# Altium PCB carrier.PcbDoc (part 4 of 5) (continued)
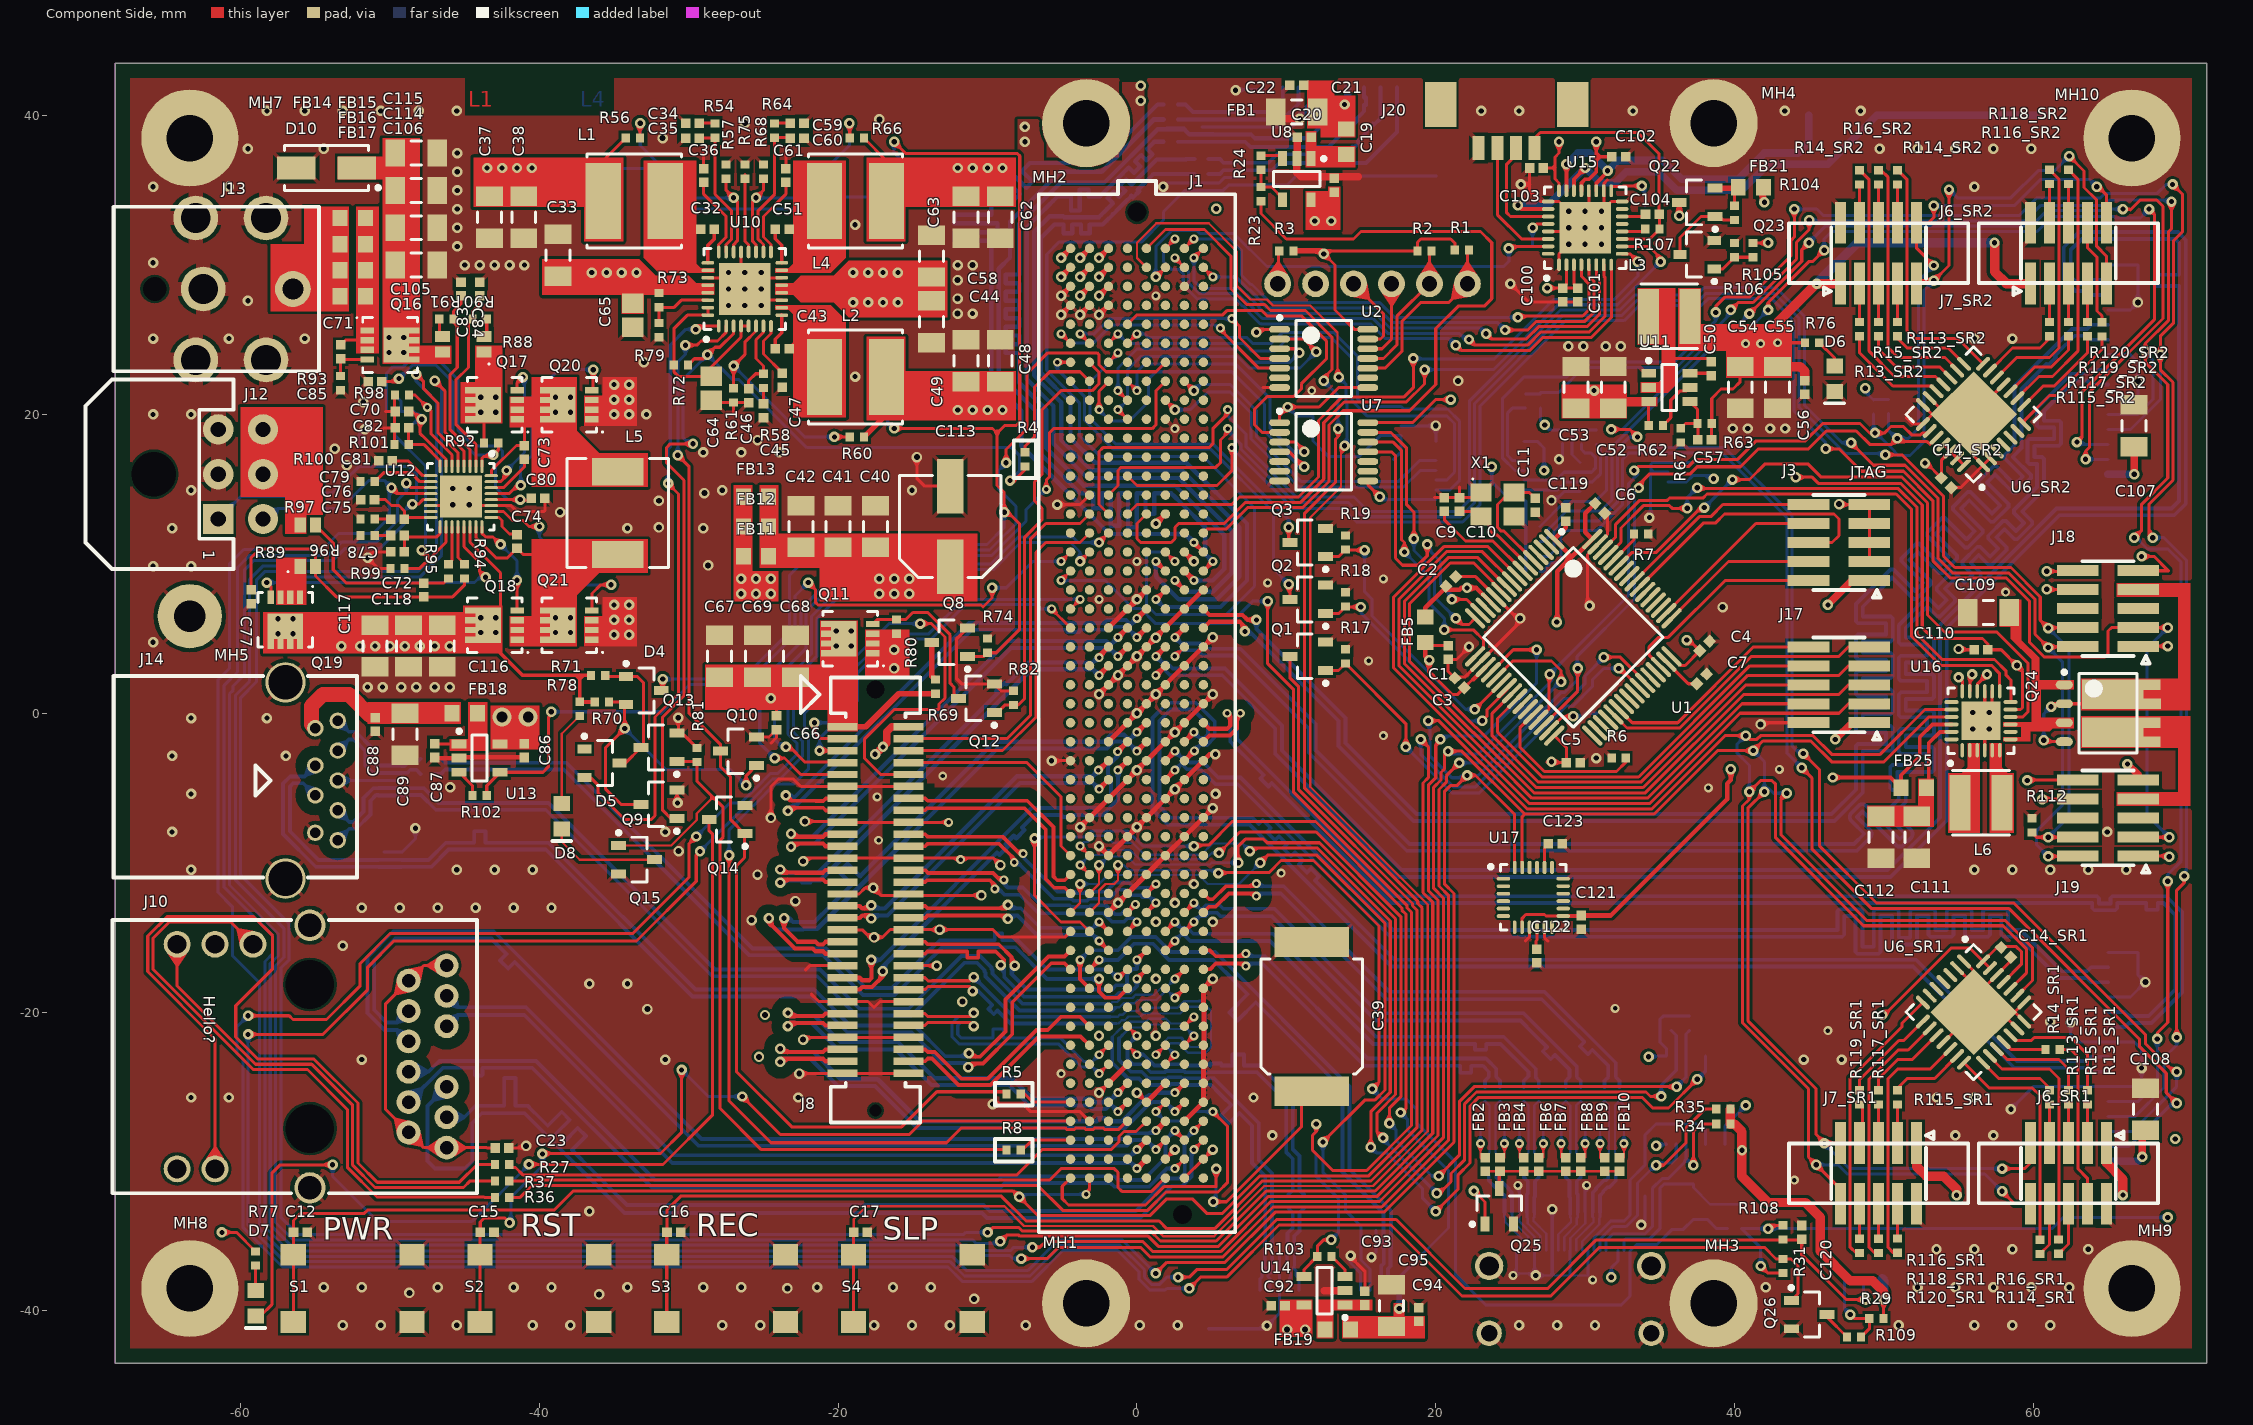
[diagram p0: Component Side view]
## Nets (pads, with @x,y where several pads share a name; then routed paths per layer and width w, separated by ;. In a path a pad name is that pad's centre, name@x,y a point inside that pad or via, vN(x,y) a via of type N, cw(c..) or ccw(c..) an arc to the next point about the centre after c; other vN are vias at no path point) (continued)
NetJ10_17: J10.17 R37.1 | length 32.2
  Component Side w0.203: J10.17@-64.25,-15.463 -64.25,-18.253 -59.008,-23.495 -55.245,-23.495 -52.5,-26.24 -52.5,-30.25 -51,-31.75 -45.085,-31.75 -44.635,-31.3 R37.1@-42.975,-31.3 ; R37.1@-43.02,-31.25 R37.1@-42.975,-31.25
NetJ12_1: J12.1 R84.2 | length 6.4
  Solder Side w0.203: J12.1@-61.5,13 -60,14.5 -56.079,14.5 R84.2@-55.847,14.732
NetJ12_4: J12.4 R83.2 | length 2.9
  Solder Side w0.203: J12.4@-58.5,13 -58.2,13 -57.484,13.716 R83.2@-55.847,13.716
NetJ16_4: J16.4 R29.2 R109.1 | length 5.4
  Component Side w0.203: v1(47.75,-40.25) 48,-40.5 R29.2@49.025,-40.5 49.025,-41.2 R109.1@48.475,-41.75
  Solder Side w0.203: J16.4@47.375,-37.85 47.375,-39.875 v1(47.75,-40.25)
NetJ17_3: J17.3 U1.8 | length 53.6
  Component Side w0.203: U1.8@25.462,9.181 23.468,11.176 20.574,11.176 17.183,7.785 17.183,3.03 26.252,-6.039 34.327,-6.039 40.366,0 46.99,0 47.625,0.635 J17.3@49.022,0.635
NetJ17_4: J17.4 U1.9 | length 47.9
  Component Side w0.203: U1.9@25.109,8.828 23.116,10.82 20.726,10.82 17.539,7.633 17.539,3.178 24.067,-3.35 24.097,-3.35 26.429,-5.683 34.179,-5.683 40.498,0.635 J17.4@44.958,0.635
NetJ17_5: J17.5 U1.10 | length 50.7
  Component Side w0.203: U1.10@24.755,8.474 22.815,10.414 20.828,10.414 17.894,7.48 17.894,3.325 22.518,-1.299 22.548,-1.299 26.577,-5.328 34.032,-5.328 40.63,1.27 46.99,1.27 47.625,1.905 J17.5@49.022,1.905
NetJ17_6: J17.6 U1.11 | length 45
  Component Side w0.203: U1.11@24.402,8.121 24.402,8.203 22.546,10.058 20.975,10.058 18.25,7.333 18.25,3.472 22.665,-0.943 22.695,-0.943 26.724,-4.972 33.885,-4.972 40.762,1.905 J17.6@44.958,1.905
NetJ17_7: J17.7 U1.24 | length 33.2
  Component Side w0.203: U1.24@25.109,1.332 23.774,-0.002 23.774,-1.507 26.884,-4.616 33.732,-4.616 40.889,2.54 46.99,2.54 47.625,3.175 J17.7@49.022,3.175
NetJ17_8: J17.8 U1.25 | length 27.9
  Component Side w0.203: U1.25@25.462,0.979 24.13,-0.354 24.13,-1.27 27.121,-4.261 33.585,-4.261 41.021,3.175 J17.8@44.958,3.175
NetJ17_9: J17.9 U1.37 | length 19.8
  Component Side w0.203: U1.37@31.897,-0.082 32.806,-0.991 36.342,-0.991 41.143,3.81 46.99,3.81 47.625,4.445 J17.9@49.022,4.445
NetJ17_10: J17.10 U1.38 | length 15.2
  Component Side w0.203: U1.38@32.251,0.272 33.157,-0.635 36.195,-0.635 41.275,4.445 J17.10@44.958,4.445
NetJ18_7: J18.7 Q24.B1 Q24.B2 Q24.C1 | length 8.3
  Component Side w0.203: v1(60.7,-1.8) 60.805,-1.905 Q24.B2@62.075,-1.905 ; v1(61.193,0.443) 61.385,0.635 Q24.B1@62.075,0.635 64.685,0.635 Q24.C1@65.32,1.27
  Solder Side w0.203: v1(60.7,-1.8) 60.7,-0.05 v1(61.193,0.443)
NetJ18_8: J18.8 J19.8 U16.17 | length 24.6
  Component Side w0.203: U16.17@55.75,1.475 55.75,2.45 v1(55.9,2.6) ; v1(60.6,-5.76) 60.63,-5.73 J19.8@62.968,-5.73 ; v1(60.9,8.3) 60.93,8.27 J18.8@62.968,8.27
  Power_layer1 w0.508: v1(60.6,-5.76) 60.6,-4.2 58.8,-2.4 58.8,0.7 57.7,1.8 56.2,1.8 55.9,2.1 v1(55.9,2.6) 55.9,2.9 59.2,6.2 59.2,6.6 v1(60.9,8.3)
NetJ18_9: J18.9 J19.9 U16.16 | length 36
  Component Side w0.203: U16.16@56.25,1.475 56.25,1.95 v1(56.9,2.6) ; J18.9@67.032,9.54 69.04,9.54 68.08,10.5 v1(67.25,10.5)
  Component Side w0.508: v1(66.3,-3.4) 67.032,-4.132 J19.9@67.032,-4.46
  Power_layer1 w0.508: v1(56.9,2.6) 58.43,2.6 58.73,2.3 59.7,2.3 ; v1(66.3,-3.4) 61,-3.4 59.7,-2.1 59.7,2.3 ; v1(67.25,10.5) 67.25,7.75 66.6,7.1 61,7.1 60.1,6.2 60.1,2.7 59.7,2.3
NetJ18_10: J18.10 J19.10 U16.18 | length 26
  Component Side w0.203: v1(55,2.4) 55.25,2.15 U16.18@55.25,1.475 ; v1(59.6,-4.5) 59.64,-4.46 J19.10@62.968,-4.46 ; v1(60.9,9.5) 62.928,9.5 J18.10@62.968,9.54
  Power_layer1 w0.508: v1(59.6,-4.5) 59.6,-4.4 58,-2.8 58,0.4 57.4,1 55.7,1 55,1.7 v1(55,2.4) 55,3.2 58.2,6.4 58.2,7 60.7,9.5 v1(60.9,9.5)
NetJ19_7: J19.7 Q24.C2
NetJ20_2: J20.2 U15.27 | length 7.5
  Component Side w0.203: J20.2@25.375,37.85 25.375,37.375 24.75,36.75 24.75,33.5 25,33.25 U15.27@27.525,33.25
NetJ20_3: J20.3 U15.30 | length 8.5
  Component Side w0.203: J20.3@24.125,37.85 24.125,33.375 25.75,31.75 U15.30@27.525,31.75
NetL6_1: L6.1 U16.5 U16.6
NetL6_2: L6.2 U16.2 U16.3
NetQ5_D: Q5.D R55.2 | length 1.3
  Solder Side w0.203: R55.2@-39.5,35.525 -38.225,35.525 Q5.D@-38.2,35.5
NetQ6_D: Q6.D R59.2 | length 1.3
  Solder Side w0.203: Q6.D@-14.3,21.25 -13.025,21.25 R59.2@-13,21.275
NetQ7_D: Q7.D R65.2 | length 1.3
  Solder Side w0.203: Q7.D@-14.3,35.5 -13.025,35.5 R65.2@-13,35.525
NetQ8_D: Q8.D R69.1 | length 2.6
  Component Side w0.381: Q8.D@-13.736,4.75 -13.736,2.486 R69.1@-13.5,2.25
NetQ9_G: Q9.G R4.2 R72.2 U10.3 | length 67.1
  Component Side w0.203: Q9.G@-30.804,-7.046 -31.205,-7.046 -31.75,-6.501 -31.75,-0.254 -30.328,1.168 -30.328,15.596 -31.496,16.764 -31.496,17.78 -31.242,18.034 v1(-29.718,18.034) ; R72.2@-30.052,23.304 -29.627,23.729 -29.021,23.729 v7(-28.75,24) -28.25,24.5 -27.925,24.5 -27,25.425 U10.3@-27,25.925 ; v1(-8.5,15.573) -8.223,15.573 -7.493,16.303 R4.2@-7.493,16.543
  Solder Side w0.203: v1(-29.718,18.034) -29.972,18.034 -30.378,18.44 -30.378,22.372 v7(-28.75,24) -27.1,22.35 -26.668,22.35 -22.098,17.78 -8.386,17.78 -7.874,17.268 -7.874,16.199 v1(-8.5,15.573)
NetQ10_D: Q10.D Q14.G R5.2 U10.2 | length 75.1
  Component Side w0.203: v1(-30.734,17.272) -29.972,16.51 -29.972,0 -27.87,-2.102 Q10.D@-27.87,-2.54 -27.87,-3.598 -27.2,-4.268 -27.2,-7.13 Q14.G@-26.268,-8.062 ; v7(-30.226,24.638) -29.464,24.638 -29.177,24.925 -28.075,24.925 -27.5,25.5 U10.2@-27.5,25.925 ; Q14.G@-26.232,-8.062 Q14.G@-26.25,-8.062 ; R5.2@-8.725,-25.5 -8.89,-25.335 -13.397,-25.335 -15.748,-27.686 -23.114,-27.686 -26.8,-24 -26.8,-10.2 -26.268,-9.668 Q14.G@-26.268,-8.062 ; Q14.G@-26.268,-8.062 -26.25,-8.044 Q14.G@-26.25,-8.062 ; Q14.G@-26.268,-8.062 Q14.G@-26.25,-8.062
  Solder Side w0.203: v1(-30.734,17.272) -30.734,23.516 -30.226,24.024 v7(-30.226,24.638)
NetQ11_G: Q11.G Q12.D R80.1 | length 10.6
  Component Side w0.203: Q11.G@-17.685,5.975 -17.385,6.275 R80.1@-16.1,6.275 -15.475,6.275 -15,6.75 -14,6.75 -12.5,5.25 -12.5,2 -12.25,1.75 -12.25,1.3 Q12.D@-11.95,1
NetQ13_G: Q13.G Q15.G R8.2 R81.1 | length 53.5
  Component Side w0.152: Q15.G@-34.7,-8.85 -31.175,-8.85 -29.467,-7.142 -29.467,-6.717 -28.375,-5.625
  Component Side w0.203: Q13.G@-30.804,-3.236 -29.497,-3.236 R81.1@-29.464,-3.269 ; R81.1@-29.464,-3.344 -29.464,-4.536 -28.375,-5.625 -27.7,-6.3 -27.7,-8.296 -27.904,-8.5 -27.904,-26.452 -25.146,-29.21 -8.765,-29.21 R8.2@-8.725,-29.25
NetQ17_G: Q17.G U12.31 | length 9.4
  Component Side w0.203: U12.31@-43.225,15.5 -42.6,15.5 -42.2,15.9 v1(-42.2,16.25) ; Q17.G@-41.485,21.625 -41.485,22.115 v1(-41.1,22.5)
  Solder Side w0.203: v1(-42.2,16.25) -41,17.45 -41,22.5 v1(-41.1,22.5)
NetQ18_G: Q18.G U12.24 | length 6.9
  Component Side w0.203: U12.24@-43.85,12.475 -43.85,12.05 -43.6,11.8 -43.1,11.8 v1(-42.6,11.3) ; v1(-41.5,8.9) -41.5,6.89 Q18.G@-41.485,6.875
  Solder Side w0.203: v1(-42.6,11.3) -41.5,10.2 v1(-41.5,8.9)
NetQ19_G: Q19.G U12.21 | length 20
  Component Side w0.203: v1(-58.25,8.75) -57.975,8.475 Q19.G@-57.975,7.765 ; U12.21@-45.05,12.475 -45.05,11.15 -44,10.1 -44,9.5 v1(-43.6,9.1)
  Solder Side w0.203: v1(-58.25,8.75) -44.35,8.75 -43.8,9.3 v1(-43.6,9.1)
NetQ20_G: Q20.G U12.29 | length 14.7
  Component Side w0.203: U12.29@-43.225,14.7 -42.037,14.7 -41.487,15.25 v1(-41.25,15.25) ; Q20.G@-36.485,21.625 -36.4,21.71 v1(-36.4,23)
  Solder Side w0.203: v1(-41.25,15.25) -41.25,16.5 -40.5,17.25 -40.5,21.2 -38.7,23 v1(-36.4,23)
NetQ21_G: Q21.G U12.26 | length 13.1
  Component Side w0.203: U12.26@-43.225,13.5 -42.4,13.5 -41.8,12.9 -41.1,12.9 -40.7,12.5 v1(-40,12.5) ; Q21.G@-36.485,6.875 -36.485,8.015 -35.9,8.6 v1(-35.2,8.6)
  Solder Side w0.203: v1(-40,12.5) -40,11.8 -36.8,8.6 v1(-35.2,8.6)
NetQ22_G: Q22.G Q23.C R104.1 | length 5.5
  Component Side w0.203: Q23.C@36.35,30.7 36.35,31.3 36.35,31.85 37.75,33.25 Q22.G@38.7,33.25 39,33.25 39.225,33.025 R104.1@40,33.025
NetQ23_B: Q23.B R105.2 R106.2 | length 2.9
  Component Side w0.203: Q23.B@38.65,29.75 39.225,29.75 R106.2@40,30.525 R105.2@41.25,30.525
NetQ26_D: Q26.D R109.2 | length 2
  Component Side w0.203: Q26.D@46.2,-40.25 46.2,-40.425 R109.2@47.525,-41.75
NetR6_2: R6.2 U1.28 | length 10.9
  Component Side w0.203: U1.28@26.523,-0.082 25.625,-0.979 25.625,-2.263 27.268,-3.905 32.095,-3.905 32.725,-3.275 R6.2@32.725,-3
NetR7_2: R7.2 U1.60 | length 2.3
  Component Side w0.203: U1.60@31.897,10.242 33.275,11.62 R7.2@33.275,12
NetR11_1: R11.1 U3.22 U4.13 | length 7.7
  Solder Side w0.203: U4.13@25.912,14.956 28.164,14.956 28.691,15.483 U3.22@29.658,15.483 30.483,15.483 31.039,16.039 31.039,17.711 R11.1@30.75,18
NetR12_1: R12.1 U3.23 U4.12 | length 7.4
  Solder Side w0.203: U4.12@25.912,15.606 28.052,15.606 28.579,16.133 U3.23@29.658,16.133 30.422,16.133 30.683,16.394 30.683,17.133 30.408,17.408 30,17.408 29.75,17.658 R12.1@29.75,18.025
NetR13_SR1_1: R13_SR1.1 U6_SR1.19 | length 8.3
  Component Side w0.203: U6_SR1.19@58.475,-21.556 58.824,-21.905 59.864,-21.905 60.069,-21.7 62.5,-21.7 63.62,-22.82 R13_SR1.1@63.62,-25.24
NetR13_SR2_1: R13_SR2.1 U6_SR2.19 | length 7.3
  Component Side w0.203: R13_SR2.1@48.38,25.24 48.38,24.12 50.595,21.905 53.176,21.905 U6_SR2.19@53.525,21.556
NetR14_SR1_1: R14_SR1.1 U6_SR1.18 | length 3
  Component Side w0.203: U6_SR1.18@58.015,-22.015 58.5,-22.5 R14_SR1.1@60.825,-22.5
NetR14_SR2_1: R14_SR2.1 U6_SR2.18 | length 18.3
  Component Side w0.203: R14_SR2.1@48.38,36.35 49.015,35.715 49.015,24.235 50.71,22.54 53.46,22.54 U6_SR2.18@53.985,22.015
NetR15_SR1_1: R15_SR1.1 U6_SR1.17 | length 6.8
  Component Side w0.203: U6_SR1.17@57.556,-22.475 58.256,-23.175 61.715,-23.175 62.35,-23.81 R15_SR1.1@62.35,-25.24
NetR15_SR2_1: R15_SR2.1 U6_SR2.17 | length 6.5
  Component Side w0.203: R15_SR2.1@49.65,25.24 49.65,24.35 50.825,23.175 53.744,23.175 U6_SR2.17@54.444,22.475
NetR16_SR1_1: R16_SR1.1 U6_SR1.16 | length 16.2
  Component Side w0.203: U6_SR1.16@57.096,-22.934 57.096,-23.001 57.905,-23.81 61.08,-23.81 61.715,-24.445 R16_SR1.1@61.715,-35.4
NetR16_SR2_1: R16_SR2.1 U6_SR2.16 | length 17.5
  Component Side w0.203: R16_SR2.1@49.65,36.35 49.81,36.35 50.285,35.875 50.285,24.465 50.94,23.81 54.095,23.81 54.904,23.001 U6_SR2.16@54.904,22.934
NetR21_2: R21.2 U4.10 | length 5.4
  Solder Side w0.203: U4.10@25.912,16.906 25.156,16.906 24.812,17.25 24.812,20.112 25.125,20.425 R21.2@26,20.425
NetR23_2: R23.2 R24.1 U8.4 | length 3
  Component Side w0.203: R24.1@8.3,36.375 R23.2@8.3,35.225 9,35.225 U8.4@9.8,34.425
NetR24_2: R24.2 U8.3 | length 1.6
  Component Side w0.203: R24.2@8.3,37.325 9.65,37.325 U8.3@9.8,37.175
NetR56_2: R56.2 R57.1 U10.22 | length 15.5
  Component Side w0.203: R56.2@-33.275,38.5 -33.275,39.475 v1(-33.25,39.5) ; R57.1@-27.5,35.775 -27.5,35 v7(-27,34.5) -26.75,34.25 -26.75,31.619 -27,31.369 U10.22@-27,30.875
  Solder Side w0.203: v1(-33.25,39.5) -33.25,38 -29.75,34.5 v7(-27,34.5)
NetR60_2: R60.2 R61.1 U10.6 | length 14.5
  Component Side w0.203: R61.1@-27,21.75 v7(-27,23.25) -26.25,24 -26.25,24.835 -25.5,25.585 U10.6@-25.5,25.925 ; v1(-20.25,18.5) R60.2@-19.225,18.5
  Solder Side w0.203: v7(-27,23.25) -22.25,18.5 v1(-20.25,18.5)
NetR62_2: R62.2 U11.5 | length 3.5
  Component Side w0.203: R62.2@35.207,19.26 35.732,19.785 35.732,20.96 36.332,21.56 36.757,21.56 U11.5@37.007,21.81
NetR66_2: R66.2 R68.1 U10.19 | length 15.5
  Component Side w0.203: U10.19@-25.5,30.875 -25.5,31.369 -25.75,31.619 -25.75,34.25 v7(-25.5,34.5) -25,35 R68.1@-25,35.775 ; v1(-19.25,39.5) -19.225,39.475 R66.2@-19.225,38.5
  Solder Side w0.203: v7(-25.5,34.5) -22.75,34.5 -19.25,38 v1(-19.25,39.5)
NetR73_1: R73.1 R79.2 U10.30 | length 4.5
  Component Side w0.203: R79.2@-32,26.125 R73.1@-32,27.125 ; R73.1@-32,27.175 -30.975,27.175 -30.5,27.65 U10.30@-28.725,27.65
NetR75_2: R75.2 U10.20 | length 5.3
  Component Side w0.203: R75.2@-26.25,36.05 R75.2@-26.25,35.775 -26.25,31.616 -26,31.366 U10.20@-26,30.875
NetR85_2: R85.2 R98.1 U12.6 | length 7.8
  Component Side w0.203: R98.1@-48.725,21.3 -48.325,21.3 -48.225,21.2 v6(-47.5,20.475) -47.244,20.219 -47.244,18.694 -45.85,17.3 U12.6@-45.85,16.525
  Solder Side w0.203: R85.2@-48.725,21.3 -48.325,21.3 v6(-47.5,20.475)
NetR86_2: R86.2 R99.1 U12.18 | length 14.5
  Component Side w0.203: R99.1@-49.025,9.7 -48,9.7 -47.244,10.456 ; v1(-47.879,10.922) -47.413,10.456 -47.244,10.456 ; U12.18@-46.25,12.475 -46.25,11.45 -47.244,10.456
  Solder Side w0.203: R86.2@-49.675,19.1 -49.675,18.6 -47.625,16.55 -47.625,11.176 v1(-47.879,10.922)
NetR88_S1: R88.S1 R91.2 | length 1.3
  Component Side w0.203: R88.S1@-43.711,25.21 -43.525,25.396 R91.2@-43.525,26.4
NetR88_S2: R88.S2 R90.2 | length 1.3
  Component Side w0.203: R90.2@-46.7,26.4 -46.7,25.421 R88.S2@-46.489,25.21
NetR94_1: R94.1 U12.20 | length 2.7
  Component Side w0.203: U12.20@-45.45,12.475 -45.45,10.425 R94.1@-45,9.975
NetR95_1: R95.1 U12.19 | length 2.6
  Component Side w0.203: R95.1@-46.1,9.975 -45.85,10.225 U12.19@-45.85,12.475
NetR100_2: R100.2 U12.10 | length 4.2
  Component Side w0.203: R100.2@-51.025,15.5 -50.425,16.1 -48.6,16.1 -48,15.5 U12.10@-47.275,15.5
NetR102_2: R102.2 U13.3 | length 1.9
  Component Side w0.203: U13.3@-45.375,-3.95 -44.475,-4.85 R102.2@-44.475,-5.5
NetR103_2: R103.2 U14.3 | length 1.7
  Component Side w0.203: R103.2@13.025,-36.35 13.925,-37.25 U14.3@13.925,-37.7
NetR107_2: R107.2 U15.12 | length 1.6
  Component Side w0.203: U15.12@32.475,32.25 33.875,32.25 R107.2@34.025,32.4
NetR113_SR1_1: R113_SR1.1 U6_SR1.15 | length 5.3
  Component Side w0.203: U6_SR1.15@56.636,-23.394 57.687,-24.445 60.445,-24.445 61.08,-25.08 R113_SR1.1@61.08,-25.24
NetR113_SR2_1: R113_SR2.1 U6_SR2.15 | length 5.3
  Component Side w0.203: R113_SR2.1@50.92,25.24 50.92,25.08 51.555,24.445 54.313,24.445 U6_SR2.15@55.364,23.394
NetR114_SR1_1: R114_SR1.1 U6_SR1.14 | length 15.6
  Component Side w0.203: U6_SR1.14@55.364,-23.394 57.049,-25.08 59.937,-25.08 60.445,-25.588 R114_SR1.1@60.445,-35.24
NetR114_SR2_1: R114_SR2.1 U6_SR2.14 | length 17
  Component Side w0.203: R114_SR2.1@50.92,36.35 51.555,35.715 51.555,25.588 52.063,25.08 54.951,25.08 U6_SR2.14@56.636,23.394
NetR115_SR1_1: R115_SR1.1 U6_SR1.13 | length 5
  Component Side w0.203: R115_SR1.1@50.92,-25.24 50.92,-25.08 51.555,-24.445 53.393,-24.445 U6_SR1.13@54.904,-22.934
NetR115_SR2_1: R115_SR2.1 U6_SR2.13 | length 5
  Component Side w0.203: U6_SR2.13@57.096,22.934 58.607,24.445 60.445,24.445 61.08,25.08 R115_SR2.1@61.08,25.24
NetR116_SR1_1: R116_SR1.1 U6_SR1.12 | length 17.1
  Component Side w0.203: R116_SR1.1@50.92,-36.112 50.632,-36.112 50.285,-35.765 50.285,-24.445 50.92,-23.81 53.109,-23.81 U6_SR1.12@54.444,-22.475
NetR116_SR2_1: R116_SR2.1 U6_SR2.12 | length 17.2
  Component Side w0.203: U6_SR2.12@57.556,22.475 58.891,23.81 61.08,23.81 61.715,24.445 61.715,35.74 R116_SR2.1@61.08,36.375
NetR117_SR1_1: R117_SR1.1 U6_SR1.10 | length 5.9
  Component Side w0.203: R117_SR1.1@49.65,-25.24 49.65,-24.45 50.925,-23.175 51.906,-23.175 U6_SR1.10@53.525,-21.556
NetR117_SR2_1: R117_SR2.1 U6_SR2.10 | length 5.9
  Component Side w0.203: U6_SR2.10@58.475,21.556 60.094,23.175 61.207,23.175 62.35,24.318 R117_SR2.1@62.35,25.24
NetR118_SR1_1: R118_SR1.1 U6_SR1.9 | length 17.5
  Component Side w0.203: R118_SR1.1@49.65,-36.125 49.375,-36.125 49.015,-35.765 49.015,-24.485 50.96,-22.54 51.622,-22.54 U6_SR1.9@53.066,-21.096
NetR118_SR2_1: R118_SR2.1 U6_SR2.9 | length 17.8
  Component Side w0.203: U6_SR2.9@58.934,21.096 60.378,22.54 61.29,22.54 62.985,24.235 62.985,35.74 R118_SR2.1@62.35,36.375
NetR119_SR1_1: R119_SR1.1 U6_SR1.8 | length 6.6
  Component Side w0.203: R119_SR1.1@48.38,-25.24 48.38,-24.52 50.995,-21.905 51.337,-21.905 U6_SR1.8@52.606,-20.636
NetR119_SR2_1: R119_SR2.1 U6_SR2.8 | length 6.8
  Component Side w0.203: U6_SR2.8@59.394,20.636 60.663,21.905 61.405,21.905 63.62,24.12 R119_SR2.1@63.62,25.24
NetR120_SR1_1: R120_SR1.1 U6_SR1.7 | length 19.2
  Component Side w0.203: R120_SR1.1@48.38,-36.125 48.125,-36.125 47.745,-35.745 47.745,-24.455 51.2,-21 51.2,-20.769 U6_SR1.7@52.606,-19.364
NetR120_SR2_1: R120_SR2.1 U6_SR2.7 | length 8.3
  Component Side w0.203: U6_SR2.7@59.394,19.364 59.394,19.584 61.08,21.27 61.52,21.27 64.6,24.35 R120_SR2.1@64.6,25.225
NetSPK1_1: SPK1.1 U15.19 U15.23 | length 24.1
  Component Side w0.254: U15.23@28.75,34.975 v1(28.75,36.75) ; U15.19@30.75,34.975 30.75,35.5 31.5,36.25 v1(31.5,36.308)
  Solder Side w0.508: v1(28.75,36.75) 29.5,37.5 30.308,37.5 v1(31.5,36.308) 32.192,37 35.207,37 36.457,35.75 40.25,35.75 42,37.5 44.25,37.5 44.959,38.209 SPK1.1@44.959,40.021
NetSPK1_2: SPK1.2 U15.22 U15.26 | length 43.8
  Component Side w0.254: v1(25.5,34) 25.75,33.75 U15.26@27.525,33.75 ; U15.22@29.25,34.975 29.25,35.75 v1(30,36.5)
  Solder Side w0.508: v1(25.5,34) 27.5,34 v1(30,36.5) 31,35.5 32,35.5 32.75,36.25 34.884,36.25 36.134,35 40.5,35 42.25,36.75 46.25,36.75 49.521,40.021 SPK1.2@60.959,40.021
NetU1_59: U1.59 U16.10 | length 44.7
  Component Side w0.203: U1.59@32.251,9.888 33.112,10.75 34.731,10.75 37.731,13.75 v1(37.981,13.765) ; v1(39.858,15.642) 41,15.642 42.058,16.7 44.903,16.7 45.803,15.8 51.209,15.8 52.922,14.086 52.922,6.578 54.061,5.439 57.561,5.439 59.63,3.37 59.63,0.08 59.3,-0.25 U16.10@58.475,-0.25
  Solder Side w0.203: v1(37.981,13.765) v1(39.858,15.642)
NetU1_61: U1.61 U16.12 | length 42
  Component Side w0.203: U1.61@31.543,10.595 32.4,11.452 32.4,12.4 33.894,13.894 35.647,13.894 35.826,13.716 v1(36.83,13.716) ; v1(37.5,15.1) 37.563,15.037 50.966,15.037 52.211,13.792 52.211,5.292 53.903,3.6 57.4,3.6 58.184,2.816 58.184,2.544 58.5,2.227 58.5,0.725 U16.12@58.475,0.75
  Solder Side w0.203: v1(36.83,13.716) 36.83,14.43 v1(37.5,15.1)
NetU1_62: U1.62 U16.13 | length 39.7
  Component Side w0.203: U1.62@31.19,10.949 32.044,11.803 32.044,12.644 33.65,14.25 35.5,14.25 35.654,14.404 36.65,14.404 36.654,14.4 37.878,14.4 38.159,14.681 50.819,14.681 51.856,13.644 51.856,5.144 53.8,3.2 55.146,3.2 55.15,3.204 57.196,3.204 57.75,2.65 U16.13@57.75,1.475
nJRST: J3.10 U1.56 | length 13.8
  Component Side w0.203: U1.56@33.311,8.828 37.645,13.161 38.409,13.161 39.217,13.97 J3.10@44.958,13.97
NVM_BATLOW: Q3.G R19.2 U1.22 | length 19.4
  Component Side w0.203: Q3.G@12.63,10.48 13.495,10.48 R19.2@13.97,10.955 14.003,10.922 v1(15.24,10.922) ; v1(22.606,0.254) 22.616,0.254 U1.22@24.402,2.039
  Solder Side w0.203: v1(15.24,10.922) 15.24,8.128 15.748,7.62 15.748,6.512 22.006,0.254 v1(22.606,0.254)
NVM_BATTOC: U1.15 U7.11 | length 18.8
  Component Side w0.203: U7.11@15.45,17.5 17.044,17.5 17.302,17.242 17.302,10.384 17.78,9.906 18.801,9.906 19.431,10.536 v1(19.431,11.303) ; v1(21.082,7.62) 22.074,7.62 U1.15@22.987,6.706
  Solder Side w0.203: v1(19.431,11.303) 19.431,11.049 20.32,10.16 20.32,8.636 21.082,7.874 v1(21.082,7.62)
NVM_CHARGE: Q2.G R18.2 U1.23 | length 16.9
  Component Side w0.203: Q2.G@12.63,6.67 13.495,6.67 R18.2@13.97,7.145 14.003,7.112 v1(14.986,7.112) ; v1(23.114,-0.508) 23.419,-0.203 23.419,0.214 24.755,1.55 U1.23@24.755,1.686
  Solder Side w0.203: v1(14.986,7.112) 14.986,6.736 22.23,-0.508 v1(23.114,-0.508)
NVM_RX7: U1.16 U7.13 | length 17.4
  Component Side w0.203: U7.13@15.45,18.8 17,18.8 17.294,18.506 17.297,18.506 18.056,17.747 18.056,13.948 18.542,13.462 v1(18.542,11.684) ; v1(21.336,6.35) 21.742,5.944 22.225,5.944 U1.16@22.634,6.353
  Solder Side w0.203: v1(18.542,11.684) 18.542,10.897 19.914,9.525 19.914,7.772 v1(21.336,6.35)
NVM_SCK: J1.C15 J18.2 J19.2 | length 120.2
  Component Side w0.203: J1.C15@-1.905,13.335 -2.54,13.97 -2.54,17.526 -2.286,17.78 4.826,17.78 5.08,18.034 5.08,19.05 6.071,20.041 v3(6.071,20.32) ; v1(47.8,18.1) 49.3,16.6 51.414,16.6 53.634,14.381 53.634,10.364 54.603,9.394 58.356,9.394 60.11,7.64 60.11,5.29 v1(61,4.4) 61.06,4.46 J18.2@62.968,4.46 ; v1(61,-9.58) 62.928,-9.58 J19.2@62.968,-9.54
  Solder Side w0.203: v3(6.071,20.32) 6.071,19.904 7.289,18.686 7.289,18.205 7.31,18.185 7.31,17.836 10.668,14.478 14.522,14.478 15.49,13.51 21.51,13.51 22.25,14.25 22.25,20.885 28.354,26.989 32.318,26.989 33.329,28 37.482,28 37.982,28.5 42.461,28.5 42.5,28.461 42.795,28.461 44.686,26.57 44.686,25.25 44.697,25.239 44.697,20.6 47.197,18.1 v1(47.8,18.1) ; v1(61,-9.58) 60.2,-8.78 60.2,-7.9 61.944,-6.156 61.944,3.456 v1(61,4.4)
NVM_SD: J1.C14 J18.4 J19.4 R112.2 | length 115.7
  Component Side w0.203: J1.C14@-1.905,14.605 -1.27,15.24 -1.27,16.256 -1.067,16.459 5.283,16.459 5.593,16.769 5.593,18.293 6.21,18.91 v3(6.071,19.05) ; v1(50.1,17.3) 51.217,17.3 53.989,14.528 53.989,10.511 54.75,9.75 58.503,9.75 60.465,7.788 60.465,6.235 v1(61,5.7) 61.03,5.73 J18.4@62.968,5.73 ; R112.2@59.9,-7.975 60.225,-8.3 v1(61,-8.3) 62.938,-8.3 J19.4@62.968,-8.27
  Solder Side w0.203: v3(6.071,19.05) 6.071,18.914 6.954,18.03 6.954,17.689 10.521,14.122 14.128,14.122 15.096,13.154 21.657,13.154 22.606,14.103 22.606,20.738 28.501,26.633 32.465,26.633 33.476,27.644 37.629,27.644 38.09,28.106 42.647,28.106 44.331,26.422 44.331,20.464 47.394,17.4 50,17.4 v1(50.1,17.3) ; v1(61,-8.3) 62.4,-6.9 62.4,4.3 v1(61,5.7)
NVM_START: Q1.G R17.2 U1.42 | length 30
  Component Side w0.203: Q1.G@12.63,2.86 13.495,2.86 R17.2@13.97,3.335 18,-0.695 v1(18,-2.25) ; v1(32.25,3) 32.351,3 U1.42@33.665,1.686
  Solder Side w0.203: v1(18,-2.25) 21.084,-5.334 22.919,-5.334 28.753,0.5 29.2,0.5 30.5,1.8 30.5,2.25 31.25,3 v1(32.25,3)
NVM_TX7: U1.17 U7.12 | length 19.9
  Component Side w0.203: U7.12@15.45,18.15 17.15,18.15 17.7,17.6 17.7,11.637 17.907,11.43 v1(17.907,10.795) ; v1(20.574,5.588) 22.512,5.588 23.2,4.9 23.2,4.373 U1.17@22.634,3.807
  Solder Side w0.203: v1(17.907,10.795) 19.558,9.144 19.558,7.366 20.574,6.35 v1(20.574,5.588)
NVM_WS: J1.D13 J18.3 J19.3 | length 120.7
  Component Side w0.203: J1.D13@-0.635,15.875 0,15.24 5.359,15.24 6.35,16.231 v3(6.35,17.78) ; v1(46.1,17.7) 47,17.7 48.5,16.2 51.312,16.2 53.278,14.234 53.278,10.216 54.455,9.039 58.208,9.039 59.75,7.497 59.75,4.75 60.75,3.75 64.75,3.75 65,4 65,5.5 65.23,5.73 J18.3@67.032,5.73 v1(69,5.73) ; J19.3@67.032,-8.27 67.062,-8.3 v1(69.1,-8.3)
  Solder Side w0.203: v3(6.35,17.78) 6.36,17.78 10.424,13.716 13.784,13.716 14.701,12.799 21.805,12.799 22.961,13.955 22.961,20.553 28.686,26.278 32.612,26.278 33.623,27.289 37.777,27.289 38.238,27.75 42.5,27.75 43.975,26.275 43.975,20.225 46.1,18.1 v1(46.1,17.7) ; v1(69,5.73) 67.6,4.33 67.6,-6.8 v1(69.1,-8.3)
PROCHOT: U1.21 U12.11 | length 187.5
  Component Side w0.203: v1(-48.9,15.4) -48.6,15.1 U12.11@-47.275,15.1 ; v1(-7.75,-36.5) -6,-36.5 -5.25,-35.75 0.235,-35.75 0.882,-36.397 5.752,-36.397 9.104,-33.044 16.384,-33.044 20.867,-28.561 20.867,-12.216 20.218,-11.568 20.218,-5.105 20.711,-4.613 20.711,-4.191 v1(21.575,-3.327) ; U1.21@24.048,2.393 25.155,3.5 27.75,3.5 28.39,2.86 v1(28.39,2.104)
  Solder Side w0.203: v1(-48.9,15.4) -48.9,14.85 -49.5,14.25 -49.5,12.872 -50.895,11.477 -53.224,11.477 -54.125,10.575 -59.397,10.575 -60.21,9.762 -60.21,2.762 -61.106,1.867 -61.106,-11.647 -57.856,-14.897 -57.856,-16.097 -58.372,-16.613 -58.372,-34.384 -56.756,-36 -11.75,-36 -11.438,-36.312 -8.5,-36.312 -8.312,-36.5 v1(-7.75,-36.5) ; v1@21.575,-3.325 21.577,-3.324 22.428,-3.324 22.429,-3.325 22.897,-3.325 28.326,2.104 v1(28.39,2.104)
S0_SR1: J6_SR1.3 R13_SR1.2 | length 2.6
  Component Side w0.203: J6_SR1.3@63.62,-28.763 R13_SR1.2@63.62,-26.19
S0_SR2: J6_SR2.3 R13_SR2.2 | length 2.6
  Component Side w0.203: R13_SR2.2@48.38,26.19 J6_SR2.3@48.38,28.763
S1_SR1: J6_SR1.4 R14_SR1.2 | length 11.5
  Component Side w0.203: R14_SR1.2@61.775,-22.5 62.5,-22.5 62.998,-22.998 62.998,-30.498 63.62,-31.12 J6_SR1.4@63.62,-32.827
S1_SR2: J6_SR2.4 R14_SR2.2 | length 2.6
  Component Side w0.203: J6_SR2.4@48.38,32.827 R14_SR2.2@48.38,35.4
S2_SR1: J6_SR1.5 R15_SR1.2 | length 2.6
  Component Side w0.203: J6_SR1.5@62.35,-28.763 R15_SR1.2@62.35,-26.19
S2_SR2: J6_SR2.5 R15_SR2.2 | length 2.6
  Component Side w0.203: R15_SR2.2@49.65,26.19 J6_SR2.5@49.65,28.763
S3_SR1: J6_SR1.6 R16_SR1.2 | length 3.6
  Component Side w0.203: R16_SR1.2@61.7,-36.175 62.35,-35.525 J6_SR1.6@62.35,-32.827
S3_SR2: J6_SR2.6 R16_SR2.2 | length 2.6
  Component Side w0.203: J6_SR2.6@49.65,32.827 R16_SR2.2@49.65,35.4
S4_SR1: J6_SR1.7 R113_SR1.2 | length 2.6
  Component Side w0.203: J6_SR1.7@61.08,-28.763 R113_SR1.2@61.08,-26.19
S4_SR2: J6_SR2.7 R113_SR2.2 | length 2.6
  Component Side w0.203: R113_SR2.2@50.92,26.19 J6_SR2.7@50.92,28.763
S5_SR1: J6_SR1.8 R114_SR1.2 | length 3.6
  Component Side w0.203: R114_SR1.2@60.445,-36.19 61.08,-35.555 J6_SR1.8@61.08,-32.827
S5_SR2: J6_SR2.8 R114_SR2.2 | length 2.6
  Component Side w0.203: J6_SR2.8@50.92,32.827 R114_SR2.2@50.92,35.4
S6_SR1: J7_SR1.3 R115_SR1.2 | length 2.6
  Component Side w0.203: J7_SR1.3@50.92,-28.763 R115_SR1.2@50.92,-26.19
S6_SR2: J7_SR2.3 R115_SR2.2 | length 2.6
  Component Side w0.203: R115_SR2.2@61.08,26.19 J7_SR2.3@61.08,28.763
S7_SR1: J7_SR1.4 R116_SR1.2 | length 2.3
  Component Side w0.203: R116_SR1.2@50.92,-35.162 J7_SR1.4@50.92,-32.827
S7_SR2: J7_SR2.4 R116_SR2.2 | length 2.6
  Component Side w0.203: J7_SR2.4@61.08,32.827 R116_SR2.2@61.08,35.425
S8_SR1: J7_SR1.5 R117_SR1.2 | length 2.6
  Component Side w0.203: J7_SR1.5@49.65,-28.763 R117_SR1.2@49.65,-26.19
S8_SR2: J7_SR2.5 R117_SR2.2 | length 2.6
  Component Side w0.203: R117_SR2.2@62.35,26.19 J7_SR2.5@62.35,28.763
S9_SR1: J7_SR1.6 R118_SR1.2 | length 2.3
  Component Side w0.203: R118_SR1.2@49.65,-35.175 J7_SR1.6@49.65,-32.827
S9_SR2: J7_SR2.6 R118_SR2.2 | length 2.6
  Component Side w0.203: J7_SR2.6@62.35,32.827 R118_SR2.2@62.35,35.425
S10_SR1: J7_SR1.7 R119_SR1.2 | length 2.6
  Component Side w0.203: J7_SR1.7@48.58,-28.763 R119_SR1.2@48.58,-26.19
S10_SR2: J7_SR2.7 R119_SR2.2 | length 2.6
  Component Side w0.203: R119_SR2.2@63.62,26.19 J7_SR2.7@63.62,28.763
S11_SR1: J7_SR1.8 R120_SR1.2 | length 2.3
  Component Side w0.203: R120_SR1.2@48.38,-35.175 J7_SR1.8@48.38,-32.827
S11_SR2: J7_SR2.8 R120_SR2.2 | length 7.1
  Component Side w0.203: J7_SR2.8@63.62,32.827 63.62,31.18 64.268,30.532 64.268,26.932 64.6,26.6 R120_SR2.2@64.6,26.175
SATA_RX_N: J1.G45 J8.55 | length 34.7
  Component Side w0.279: v1(-23.876,-22.461) -23.666,-22.671 -21.011,-22.671 -20.84,-22.5 J8.55@-19.7,-22.5 ; v3(2.54,-25.4) J1.G45@3.175,-24.765
  Solder Side w0.279: v1(-23.876,-22.461) -23.666,-22.671 -21.655,-22.671 -19.826,-24.5 -17.353,-24.5 -14.541,-27.312 -4.75,-27.312 -2.731,-27.312 ccw(c-2.731,-27.228) -2.647,-27.228 -2.647,-27.19 cw(c-2.563,-27.19) -2.563,-27.107 -2.172,-27.107 cw(c-2.172,-27.19) -2.088,-27.19 -2.088,-27.228 ccw(c-2.004,-27.228) -2.004,-27.312 -1.529,-27.312 -1.25,-27.312 -1.004,-27.312 0.642,-25.666 0.719,-25.666 0.815,-25.571 1.099,-25.571 1.27,-25.4 v3(2.54,-25.4)
SATA_RX_P: J1.G46 J8.57 | length 34.6
  Component Side w0.279: v1(-23.876,-23.339) -23.666,-23.129 -21.011,-23.129 -20.84,-23.3 J8.57@-19.7,-23.3 ; v3(2.54,-26.67) J1.G46@3.175,-26.035
  Solder Side w0.279: v1(-23.876,-23.339) -23.666,-23.129 -21.844,-23.129 -20.015,-24.957 -17.543,-24.957 -14.731,-27.769 -0.815,-27.769 0.831,-26.123 0.909,-26.123 1.004,-26.028 1.536,-26.028 1.543,-26.035 1.905,-26.035 v3(2.54,-26.67)